# Altium PCB PA_8CH_CTRL.PcbDoc (part 10 of 10)
Units mm, origin at the board's own origin, x right, y up, seen from the top; angles counter-clockwise.
Board outline 390 x 110 mm, 4 copper layers (Component Side, Signal Layer 1, Power Plane, Solder Side), stack 1.604 mm thick; 833 components, 525 nets, 2536 pads, 1881 vias.
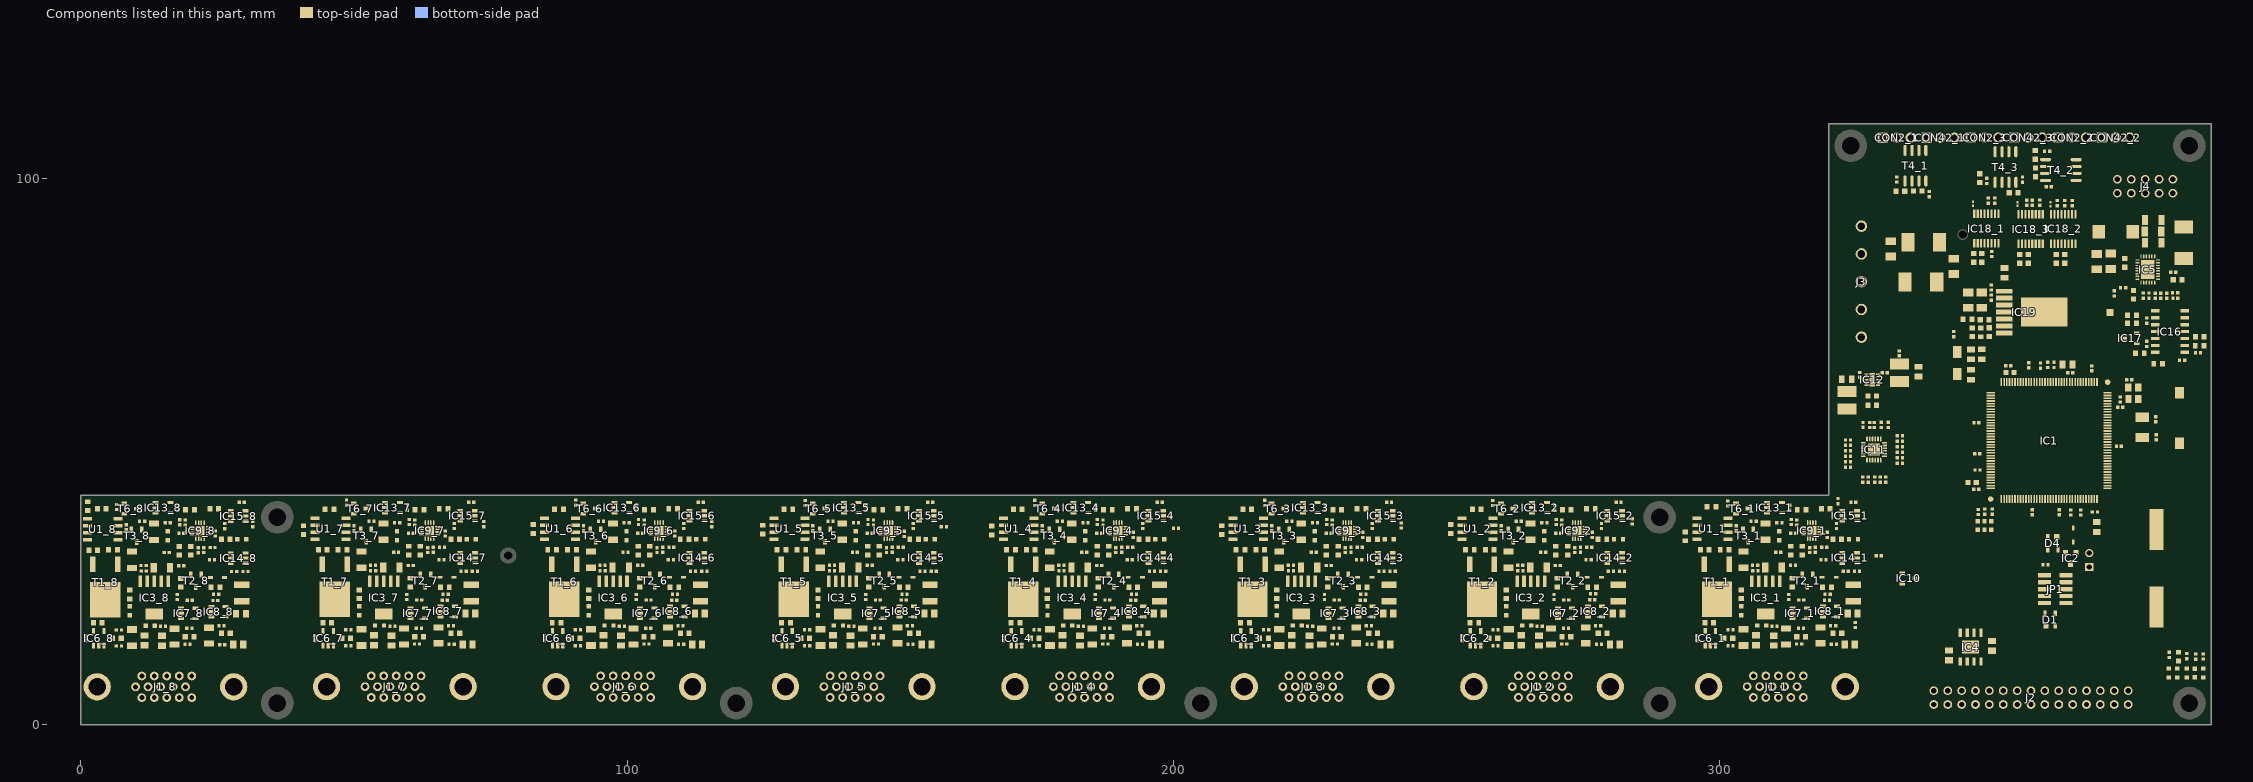
[diagram p12: the components of this part, seen from the top]

## Other copper
Component Side:
  rectangle net P30V0: 118.75,30.75 122.75,36.25
  rectangle net P30V0: 160.5,31.5 164.5,36
  rectangle net P30V0: 77.25,30.25 79.5,36.75
  rectangle net P30V0: 203.5,31.5 207,36.5
  rectangle net GND: 348.64,11.049 350.85,13.843
  rectangle net GND: 340.716,12.802 348.793,15.824
  rectangle net N8V0: 12.497,34.849 13.691,36.043
  rectangle net N8V0: 39.878,13.894 41.072,15.088
  rectangle net N8V0: 81.94,13.818 83.134,15.011
  rectangle net N8V0: 124.612,13.538 125.806,14.732
  rectangle net N8V0: 166.091,13.614 167.284,14.808
  rectangle net N8V0: 207.315,13.614 208.509,14.808
  rectangle net N8V0: 249.987,13.691 251.181,14.884
  rectangle net N8V0: 292.43,13.183 293.624,14.376
  rectangle net GND: 324.155,15.342 325.298,17.17
  rectangle net GND: 281.127,15.342 282.296,16.637
  rectangle net GND: 239.116,15.418 240.284,16.713
  rectangle net GND: 197.155,15.392 198.323,16.688
  rectangle net GND: 155.118,15.418 156.286,16.713
  rectangle net GND: 113.132,15.443 114.3,16.739
  rectangle net GND: 71.145,15.392 72.314,16.688
  rectangle net GND: 29.134,15.24 30.302,16.535
  rectangle net GND: 341.224,13.03 350.571,14.122
  rectangle net NetC21_2: 383.54,17.628 386.309,20.472
  rectangle net NetC21_2: 343.738,17.45 344.348,18.39
  rectangle net NetC21_2: 347.574,17.475 348.132,18.517
  rectangle net NetC21_2: 343.738,17.932 351.053,19.101
  rectangle net NetC21_2: 349.148,14.986 351.053,18.923
  rectangle net NetC57_2: 323.52,60.706 324.764,62.89
  rectangle net NetC57_2: 324.307,63.043 326.619,63.856
  rectangle net GND: 10.871,18.466 12.319,21.336
  rectangle net GND: 27.889,18.364 28.981,19.863
  rectangle net P30V0: 7.645,30.455 10.82,32.36
  rectangle net P6V5: 14.605,23.063 15.9,24.917
  rectangle net P6V5: 14.402,23.063 15.062,25.451
  rectangle net GND: 12.446,32.233 14.326,34.214
  rectangle net GND: 8.509,26.695 10.262,28.727
  rectangle net GND: 13.005,23.038 13.894,29.362
  rectangle net GND: 10.973,15.799 12.294,18.542
  rectangle net GND: 11.455,15.875 15.24,17.424
  rectangle net GND: 308.005,23.067 308.894,29.391
  rectangle net P6V5: 309.605,23.092 310.9,24.946
  rectangle net P6V5: 309.402,23.092 310.062,25.48
  rectangle net GND: 305.871,18.495 307.319,21.365
  rectangle net GND: 305.973,15.828 307.294,18.571
  rectangle net GND: 306.455,15.904 310.24,17.453
  rectangle net GND: 307.446,32.262 309.326,34.243
  rectangle net GND: 322.889,18.393 323.981,19.892
  rectangle net GND: 303.509,26.724 305.262,28.756
  rectangle net P30V0: 302.645,30.484 305.82,32.389
  rectangle net GND: 265.005,23.067 265.894,29.391
  rectangle net P6V5: 266.605,23.092 267.9,24.946
  rectangle net P6V5: 266.402,23.092 267.062,25.48
  rectangle net GND: 262.871,18.495 264.319,21.365
  rectangle net GND: 262.973,15.828 264.294,18.571
  rectangle net GND: 263.455,15.904 267.24,17.453
  rectangle net GND: 264.446,32.262 266.326,34.243
  rectangle net GND: 279.889,18.393 280.981,19.892
  rectangle net GND: 260.509,26.724 262.262,28.756
  rectangle net P30V0: 259.645,30.484 262.82,32.389
  rectangle net GND: 223.005,23.067 223.894,29.391
  rectangle net P6V5: 224.605,23.092 225.9,24.946
  rectangle net P6V5: 224.402,23.092 225.062,25.48
  rectangle net GND: 220.871,18.495 222.319,21.365
  rectangle net GND: 220.973,15.828 222.294,18.571
  rectangle net GND: 221.455,15.904 225.24,17.453
  rectangle net GND: 222.446,32.262 224.326,34.243
  rectangle net GND: 237.889,18.393 238.981,19.892
  rectangle net GND: 218.509,26.724 220.262,28.756
  rectangle net P30V0: 217.645,30.484 220.82,32.389
  rectangle net GND: 181.005,23.067 181.894,29.391
  rectangle net P6V5: 182.605,23.092 183.9,24.946
  rectangle net P6V5: 182.402,23.092 183.062,25.48
  rectangle net GND: 178.871,18.495 180.319,21.365
  rectangle net GND: 178.973,15.828 180.294,18.571
  rectangle net GND: 179.455,15.904 183.24,17.453
  rectangle net GND: 180.446,32.262 182.326,34.243
  rectangle net GND: 195.889,18.393 196.981,19.892
  rectangle net GND: 176.509,26.724 178.262,28.756
  rectangle net P30V0: 175.645,30.484 178.82,32.389
  rectangle net GND: 139.005,23.067 139.894,29.391
  rectangle net P6V5: 140.605,23.092 141.9,24.946
  rectangle net P6V5: 140.402,23.092 141.062,25.48
  rectangle net GND: 136.871,18.495 138.319,21.365
  rectangle net GND: 136.973,15.828 138.294,18.571
  rectangle net GND: 137.455,15.904 141.24,17.453
  rectangle net GND: 138.446,32.262 140.326,34.243
  rectangle net GND: 153.889,18.393 154.981,19.892
  rectangle net GND: 134.509,26.724 136.262,28.756
  rectangle net P30V0: 133.645,30.484 136.82,32.389
  rectangle net GND: 97.005,23.067 97.894,29.391
  rectangle net P6V5: 98.605,23.092 99.9,24.946
  rectangle net P6V5: 98.402,23.092 99.062,25.48
  rectangle net GND: 94.871,18.495 96.319,21.365
  rectangle net GND: 94.973,15.828 96.294,18.571
  rectangle net GND: 95.455,15.904 99.24,17.453
  rectangle net GND: 96.446,32.262 98.326,34.243
  rectangle net GND: 111.889,18.393 112.981,19.892
  rectangle net GND: 92.509,26.724 94.262,28.756
  rectangle net P30V0: 91.645,30.484 94.82,32.389
  rectangle net GND: 55.005,23.067 55.894,29.391
  rectangle net P6V5: 56.605,23.092 57.9,24.946
  rectangle net P6V5: 56.402,23.092 57.062,25.48
  rectangle net GND: 52.871,18.495 54.319,21.365
  rectangle net GND: 52.973,15.828 54.294,18.571
  rectangle net GND: 53.455,15.904 57.24,17.453
  rectangle net GND: 54.446,32.262 56.326,34.243
  rectangle net GND: 69.889,18.393 70.981,19.892
  rectangle net GND: 50.509,26.724 52.262,28.756
  rectangle net P30V0: 49.645,30.484 52.82,32.389
  region net GND: 381.125,27.164 381.125,34.556 378.788,34.556 378.788,27.164
  rectangle net P3V3: 328.701,64.313 329.336,65.176
  region net GND: 321.964,62.358 321.964,64.358 321.183,64.358 321.183,62.358
  rectangle net GND: 335.686,62.636 337.083,63.297
  rectangle net P6V5: 341,67.425 342.65,69.075
  rectangle net NetC21_2: 378.5,16.25 381,20.75
  text "Layer" at 188.774,94.214 h1.52
  text "Name" at 199.186,94.214 h1.52
  text "Material" at 223.055,94.214 h1.52
  text "Thickness" at 244.893,94.214 h1.52
  text "Constant" at 261.399,94.214 h1.52
  text "Board Layer Stack" at 275.874,94.214 h1.52
  text "1" at 188.774,91.166 h1.52
  text "Top Overlay" at 199.186,91.166 h1.52
  text "2" at 188.774,88.118 h1.52
  text "Top Solder" at 199.186,88.118 h1.52
  text "Solder Resist" at 223.055,88.118 h1.52
  text "0.010mm" at 244.893,88.118 h1.52
  text "3.5" at 261.399,88.118 h1.52
  text "3" at 188.774,85.07 h1.52
  text "Component Side" at 199.186,85.07 h1.52
  text "Copper" at 223.055,85.07 h1.52
  text "0.056mm" at 244.893,85.07 h1.52
  text "4" at 188.774,82.022 h1.52
  text "Dielectric 1" at 199.186,82.022 h1.52
  text "FR-4" at 223.055,82.022 h1.52
  text "0.360mm" at 244.893,82.022 h1.52
  text "4.8" at 261.399,82.022 h1.52
  text "5" at 188.774,78.974 h1.52
  text "Signal Layer 1" at 199.186,78.974 h1.52
  text "Copper" at 223.055,78.974 h1.52
  text "0.036mm" at 244.893,78.974 h1.52
  text "6" at 188.774,75.926 h1.52
  text "Dielectric 5" at 199.186,75.926 h1.52
  text "0.700mm" at 244.893,75.926 h1.52
  text "4.2" at 261.399,75.926 h1.52
  text "7" at 188.774,72.878 h1.52
  text "Power Plane" at 199.186,72.878 h1.52
  text "Copper" at 223.055,72.878 h1.52
  text "0.036mm" at 244.893,72.878 h1.52
  text "8" at 188.774,69.83 h1.52
  text "Dielectric 4" at 199.186,69.83 h1.52
  text "0.360mm" at 244.893,69.83 h1.52
  text "4.2" at 261.399,69.83 h1.52
  text "9" at 188.774,66.782 h1.52
  text "Solder Side" at 199.186,66.782 h1.52
  text "Copper" at 223.055,66.782 h1.52
  text "0.056mm" at 244.893,66.782 h1.52
  text "10" at 188.774,63.734 h1.52
  text "Bottom Solder" at 199.186,63.734 h1.52
  text "Solder Resist" at 223.055,63.734 h1.52
  text "0.010mm" at 244.893,63.734 h1.52
  text "3.5" at 261.399,63.734 h1.52
  text "11" at 188.774,60.686 h1.52
  text "Bottom Overlay" at 199.186,60.686 h1.52
Signal Layer 1:
  rectangle net N8V0: 12.446,34.646 13.767,36.068
Solder Side:
  rectangle net N8V0: 336.25,93.5 340.5,95
  rectangle net GND: 339.319,9.957 348.793,17.805
  rectangle net NetC21_2: 383.667,17.805 386.156,20.091
  rectangle net NetC21_2: 349.174,15.725 351.101,18.898
  rectangle net NetC21_2: 378,16 381.75,18
  rectangle net GND: 355.674,72.674 363.326,78.326
  rectangle net P30V0: 74.75,32.75 82.5,34.25

## Silkscreen, mask and mechanical layers (free items; w line width, h text height)
Top Overlay:
  text "DXN" at 378.5,103.25 h1 r90
  text "P2_3" at 380.75,103 h1 r90
  text "P1_3" at 382.25,103 h1 r90
  text "P2_1" at 373.5,102.75 h1 r90
  text "P1_1" at 376.122,102.664 h1 r90
  text "P30V0" at 343.75,95.75 h1 r270
  text "G" at 372.5,93.5 h1
  text "N1" at 374.25,93.5 h1
  text "P22" at 376.25,93.5 h1
  text "P12" at 380,93.5 h1
  text "N3" at 383.5,93.5 h1
  text "30V" at 330.625,92.1 h1.52
  text "G" at 330.25,84.5 h1.52 r270
  text "12V" at 330.3,81.45 h1.52 r270
  text "PG / N8V0" at 369.5,77 h0.76
  text "GND" at 330.25,74.75 h1.52
  text "nc" at 330.25,70.5 h1
  text "RESET" at 388.087,54.204 h0.76 r90
  text "P30V0" at 80,33.25 h1 r270
  text "LD10" at 347.25,30.5 h1 r90
  text "LD9" at 349,30.5 h1 r90
  text "LD11" at 350.5,30.5 h1 r90
  text "P30V0" at 383.5,17.5 h0.76 r270
  text "P6V0" at 385.116,16.846 h0.76 r270
  text "N8V0" at 381.975,16.825 h0.76 r270
  text "P3V3" at 386.665,16.82 h0.76 r270
  text "P5V0" at 388.24,16.744 h0.76 r270
Mechanical 1:
  lines w0.508: 320,42 0,42 0,0 390,0 390,117 320,117 ; 320.025,42.076 320.025,117
Mechanical 8:
  lines w0.1: 0,-1 42,-1 ; 42,0 84,0 ; 84,-1 126,-1 ; 126,0 168,0 ; 168,-1 210,-1 ; 210,0 252,0 ; 252,-1 294,-1

## Text inside footprints (layer, text, board x,y; h text height)
CON2_1: Top Overlay "1" at 328.313,108.688 h1; Mechanical 14 "1" at 328.313,108.688 h1
CON2_2: Top Overlay "1" at 360.413,108.713 h1; Mechanical 14 "1" at 360.413,108.713 h1
CON2_3: Top Overlay "1" at 344.388,108.713 h1; Mechanical 14 "1" at 344.388,108.713 h1
CON42_1: Top Overlay "1" at 336.313,108.688 h1; Mechanical 14 "1" at 336.313,108.688 h1
CON42_2: Top Overlay "1" at 368.413,108.713 h1; Mechanical 14 "1" at 368.413,108.713 h1
CON42_3: Top Overlay "1" at 352.388,108.713 h1; Mechanical 14 "1" at 352.388,108.713 h1
J2: Top Overlay "30" at 339.855,2.333 h1.02 r180; Mechanical 14 "30" at 339.855,2.333 h1.02 r180
J3: Top Overlay "5" at 324.473,90.903 h1.2 r90; Top Overlay "1" at 324.473,70.858 h1.2 r90; Mechanical 14 "5" at 324.473,90.903 h1.2 r90; Mechanical 14 "1" at 324.473,70.858 h1.2 r90
J4: Top Overlay "10" at 373.455,96.06 h1.02 r180; Mechanical 14 "10" at 373.455,96.06 h1.02 r180